# Altium PCB Moter_Control_2021-08-13.pcbdoc (part 2 of 2)
Units mil, origin at the board's own origin, x right, y up, seen from the top; angles counter-clockwise.
Board outline 3361.49 x 2219.75 mil, 2 copper layers (Top Layer, Bottom Layer); 100 components, 80 nets, 432 pads, 274 vias.
Unrouted connection lines stored in the file: 3.
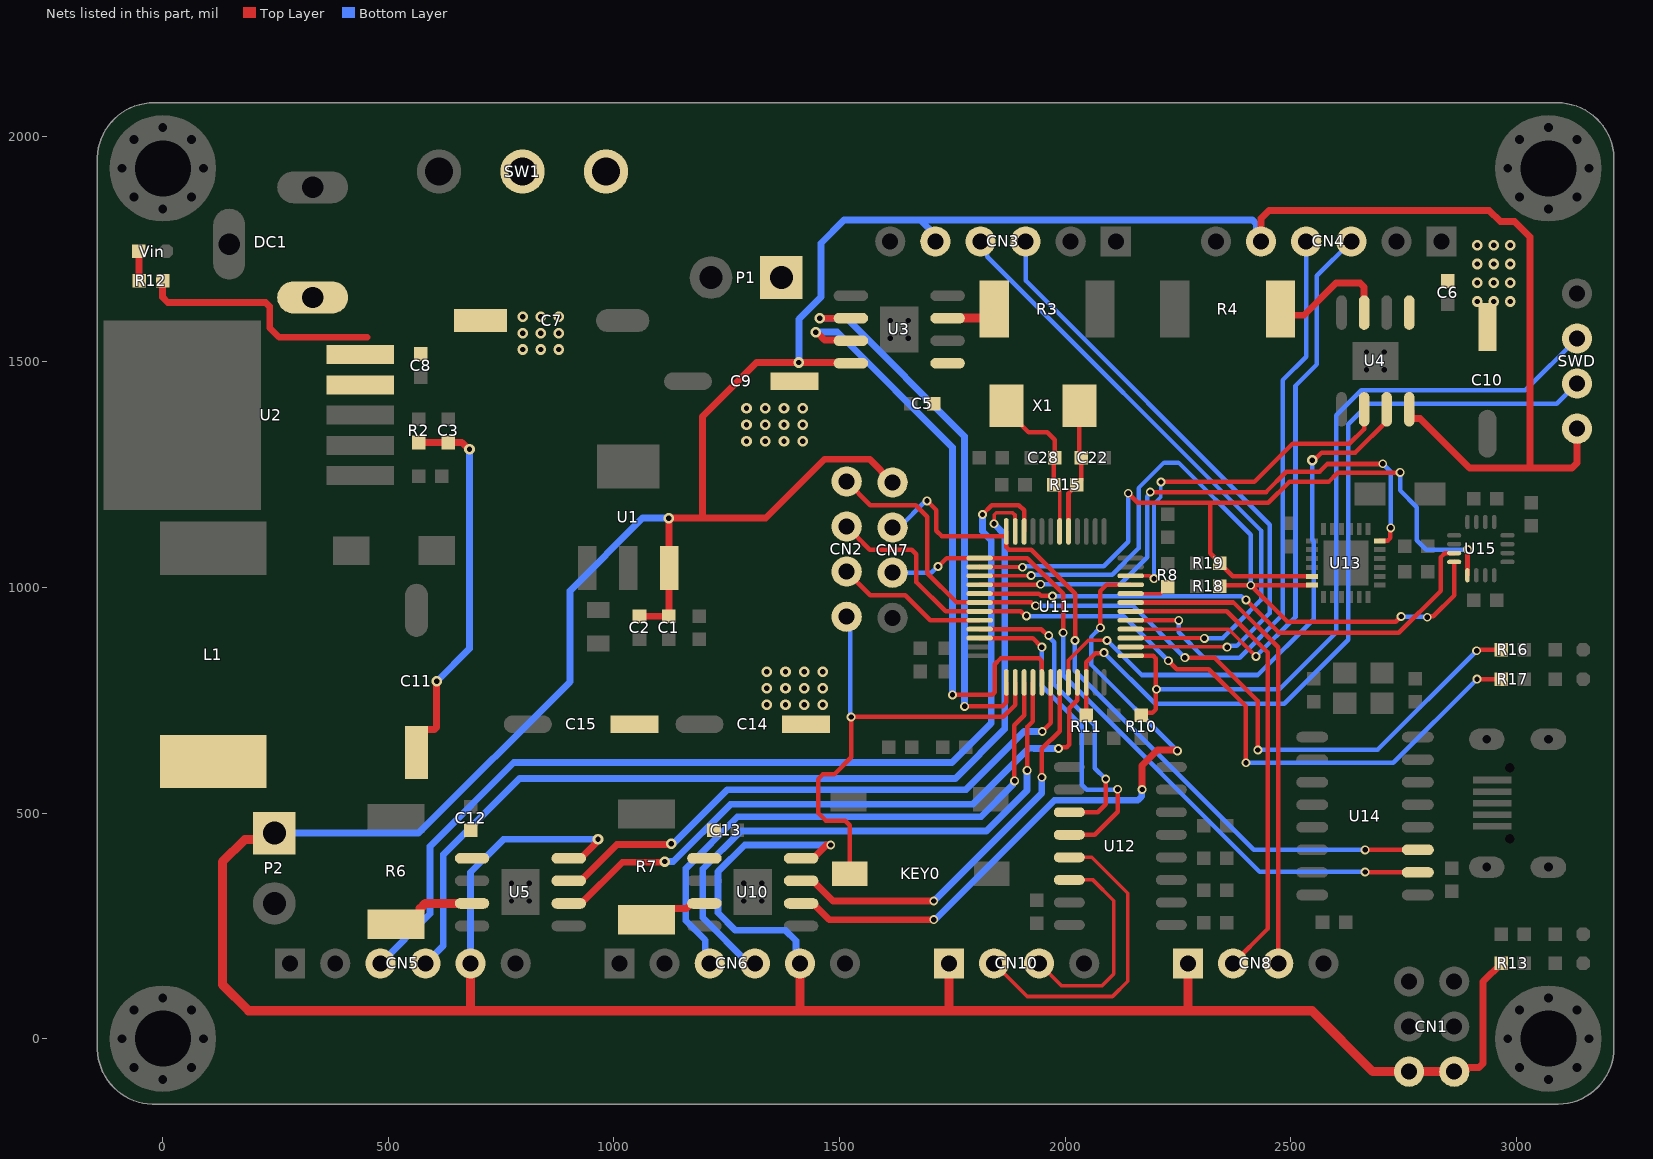
[diagram p2: the nets of this part, all layers, seen from the top]

## Via types
v1: diameter 19.68, hole 11.81, Top Layer to Bottom Layer, tented both sides, 174 vias
v2: diameter 23.62, hole 11.81, Top Layer to Bottom Layer, tented both sides, 70 vias
v3: diameter 19.68, hole 11.81, Top Layer to Bottom Layer, 30 vias

## Nets (pads, with @x,y where several pads share a name; then routed paths per layer and width w, separated by ;. In a path a pad name is that pad's centre, name@x,y a point inside that pad or via, vN(x,y) a via of type N, cw(c..) or ccw(c..) an arc to the next point about the centre after c; other vN are vias at no path point) (continued)
NetR3_2: R3.2 U3.7 | length 111.9
  Top Layer w20: U3.7@1739.31,1596.93 1822.95,1596.93 R3.2@1842.95,1616.93
NetR4_2: R4.2 U4.7 | length 280.6
  Top Layer w15: R4.2@2477.2,1616.93 2490.71,1603.42 2529.1,1603.42 2600.33,1674.65 2653.73,1674.65 2662.51,1665.86 U4.7@2662.51,1609.36
NetR6_2: R6.2 U5.7 | length 189.1
  Top Layer w20: R6.2@517.2,258.82 547.72,258.82 570.2,281.3 570.2,288.06 581.91,299.77 U5.7@685.41,299.77
NetR7_2: R7.2 U10.7 | length 143.1
  Top Layer w15: R7.2@1072.2,263.82 1097.19,288.8 1160.72,288.8 1171.7,299.77 U10.7@1200.41,299.77
NetR8_1: R8.1 U11.44 | length 88.3
  Top Layer w8: U11.44@2145.12,986.46 2201.88,986.46 2211.52,986.46 2215.4,990.34 2216.21,990.34 R8.1@2227.21,1001.34
NetR12_1: R12.1 Vin.1 | length 66.6
  Top Layer w15: Vin.1@-53.8,1745.48 -52.77,1744.46 -52.77,1680.78 R12.1@-51.75,1679.76
OSC_IN: C22.2 R15.2 U11.5 X1.2 | length 291.8
  Top Layer w10: U11.5@2007.33,1124.25 2007.33,1209 2035.72,1237.39 C22.2@2035.72,1287.37 2031.6,1291.48 X1.2@2031.6,1402.56
OSC_OUT: C28.2 R15.1 U11.6 X1.1 | length 352.6
  Top Layer w8: R15.1@1974.71,1227.56 1987.64,1214.64 U11.6@1987.64,1124.25
  Top Layer w10: X1.1@1870.18,1402.56 1870.18,1392.72 1918.78,1344.12 1959.99,1344.12 1976.48,1327.63 C28.2@1976.48,1287.56 1974.71,1285.79 R15.1@1974.71,1227.56
PA0/TIMER4_CH0: CN5.3 U11.10 | length 2284.9
  Top Layer w10: v1(1816.61,1161.88) 1837.37,1182.64 1897.22,1182.64 1908.9,1170.97 U11.10@1908.9,1124.25
  Bottom Layer w15: CN5.3@482.2,166.93 592.2,276.93 592.2,426.34 777.8,611.93 1748.91,611.93 1835.87,698.89 1835.87,1105.4 1816.61,1124.66 v1(1816.61,1161.88)
PA1/TIMER4_CH1: CN5.4 U11.11 | length 2188.8
  Top Layer w8: v1(1842.31,1141.26) 1842.95,1141.9 1842.95,1161.25 1847.68,1165.97 1883.41,1165.97 1888.72,1160.66 1888.72,1124.75 U11.11@1889.22,1124.25
  Bottom Layer w15: CN5.4@582.2,166.93 621.81,206.54 621.81,408.42 790.32,576.93 1756.85,576.93 1865.87,685.95 1865.87,1117.71 v1(1842.31,1141.26)
PA2/USART1_TX: CN7.2 U11.12 U14.3 | length 1661.4
  Top Layer w10: v1(1693.74,1191.94) 1714.06,1171.62 1714.06,1126.08 1726.89,1113.25 1869.24,1113.25 1869.53,1113.54 U11.12@1869.53,1124.25 ; U11.12@1869.53,1113.25 1869.53,1089.68 1875.38,1083.82 1924.55,1083.82 2022.2,986.17 2022.2,883.23 v1(2021.69,882.71) ; v1(2664.8,418.54) U14.3@2781.5,418.54
  Bottom Layer w10: CN7.2@1617.59,1132.89 1632.08,1132.89 1691.12,1191.94 v1(1693.74,1191.94) ; v1(2021.69,882.71) 2021.24,882.26 2021.24,815.45 2182.11,654.57 2418.14,418.54 v1(2664.8,418.54)
PA3/USART1_RX: CN7.3 U11.13 U14.2 | length 1571.7
  Top Layer w10: v1(1718.27,1046.48) 1737,1065.21 U11.13@1810.48,1065.21 1916.27,1065.21 1995.39,986.08 v1(1995.39,899.62) ; v1(2664.8,369.56) 2665.3,369.05 2780.99,369.05 U14.2@2781.5,368.54
  Bottom Layer w10: CN7.3@1617.59,1032.89 1703.37,1032.89 1716.96,1046.48 v1(1718.27,1046.48) ; v1(1995.39,899.62) 1995.39,805.43 2431.26,369.56 v1(2664.8,369.56)
PA4/SCLK: R19.2 U11.14 U13.23 U15.1 | length 1803.1
  Top Layer w8: U11.14@1810.6,1045.39 v1@1905.07,1045.39
  Top Layer w10: U11.14@1810.48,1045.52 U11.14@1810.6,1045.39 ; v1@1905.07,1045.39 v1(1905.46,1045) ; v1(2139.87,1208.93) 2160.98,1187.84 2321.11,1187.84 ; U13.23@2547.11,1024.77 2546.66,1025.22 2371.69,1025.22 2321.11,1075.8 2321.11,1187.84 ; v1(2742.3,1255.22) 2741.52,1254.43 2604.09,1254.43 2583.6,1233.95 2496.42,1233.95 2450.31,1187.84 2321.11,1187.84 ; U15.1@2891.55,1027.11 2891.63,1027.19 2891.63,1083.41 v1(2892.05,1083.82)
  Bottom Layer w10: v1(1905.46,1045) 1907.31,1046.85 2085.52,1046.85 2139.87,1101.2 v1(2139.87,1208.93) ; v1(2742.3,1255.22) 2742.3,1215.02 2779.36,1177.96 2779.36,1104.56 2800.1,1083.82 v1(2892.05,1083.82)
PA5/SDA: R18.2 U11.15 U13.24 U15.16 | length 1746.7
  Top Layer w8: U11.15@1810.48,1025.84 1923.89,1025.84 v1@1924.47,1026.41
  Top Layer w10: R18.2@2347.2,1001.34 2350.94,1005.08 v1(2411.21,1005.08) ; U13.24@2547.11,1005.08 v1(2411.21,1005.08) ; v1(2744.61,935.85) 2732.52,923.76 2492.53,923.76 v1(2411.21,1005.08) ; v1(2802.38,934.17) 2804.22,936.01 2815.67,936.01 2862.03,982.37 U15.16@2862.03,1056.63
  Bottom Layer w10: v1(1924.61,1026.55) 1926.46,1028.41 2104,1028.41 2162.62,1087.03 2162.62,1220.5 2219.05,1276.93 2251.08,1276.93 2411.21,1116.81 v1(2411.21,1005.08) ; v1(2744.61,935.85) 2745.45,935.01 2801.54,935.01 v1(2802.38,934.17)
PA6/MPU_INT: U11.16 U13.12 | length 1273.5
  Top Layer w10: U11.16@1810.48,1006.15 1810.6,1006.27 1944.72,1006.27 v1(1945.63,1007.17) ; v1(2188.54,1211.55) 2445.11,1211.55 2489.94,1256.38 2563.71,1256.38 2581.05,1273.72 2703.13,1273.72 v1(2703.69,1274.28) ; U13.12@2697.31,1103.51 2697.82,1104.02 2715.04,1104.02 2720.89,1109.88 v1@2720.89,1134.4
  Bottom Layer w10: v1(1945.63,1007.17) 2122.04,1007.17 2182.11,1067.25 2182.11,1202.5 ; v1(2703.69,1274.28) 2721.6,1256.38 v1(2721.6,1132.25)
PA7/QMC_INT: U11.17 U15.15 | length 1204.8
  Top Layer w10: U11.17@1810.48,986.47 1941.88,986.47 1946.88,981.47 1971.4,981.47 v1(1971.72,981.14) ; v1(2400.61,972.59) 2473.77,899.43 2739.55,899.43 2832.73,992.61 2832.73,1067.52 2841.45,1076.25 2861.95,1076.25 U15.15@2862.03,1076.32
  Bottom Layer w10: v1(1971.72,981.14) 2389.91,981.14 2398.46,972.59 v1(2400.61,972.59)
PA8/TIMER0_CH0: U3.3 U11.29 | length 1361.3
  Top Layer w10: v1(1750.18,761.97) 1838.16,761.97 1844.02,767.83 1844.02,830.17 1856.66,842.8 1942.41,842.8 1948.27,836.94 U11.29@1948.27,789.62
  Top Layer w15: v2(1447.1,1566.02) 1449.43,1566.02 1466.86,1548.59 1523.43,1548.59 U3.3@1525.1,1546.93
  Bottom Layer w15: v2(1447.1,1566.02) 1494.82,1566.02 1750.18,1310.66 v1(1750.18,761.97)
PA9/TIMER0_CH1: U5.3 U11.30 | length 1302.5
  Top Layer w10: v1(1949.04,680.78) v1(1949.04,680.78) 1967.96,699.77 U11.30@1967.96,789.62
  Top Layer w15: U5.3@899.62,349.77 925.98,349.77 1006.34,430.14 v2@1127.2,430.14
  Bottom Layer w15: v2(1127.2,431.93) 1129.54,431.93 1133.85,436.24 1135.6,436.24 1251.29,551.93 1780.07,551.93 1908.93,680.78 v1(1949.04,680.78)
PA10/TIMER0_CH2: U10.3 U11.31 | length 912.6
  Top Layer w10: v1(1948.27,579.43) 1948.27,642.26 1987.64,681.63 U11.31@1987.64,789.62
  Top Layer w15: U10.3@1414.62,349.77 1440.98,349.77 1485.66,305.09 v1(1708.74,305.09)
  Bottom Layer w15: v1@1708.85,305.09 1708.85,305.2 1948.27,544.62 v1(1948.27,579.43)
PA11/TIMER0_CH3: U4.3 U11.32 | length 1274.8
  Top Layer w8: U11.32@2007.33,789.62 2007.33,839.03 2051.01,882.71 v1(2092.83,882.71)
  Top Layer w10: v2(2547.5,1281.93) 2551.04,1281.93 2568.23,1299.12 2642.85,1299.12 2712.51,1368.79 U4.3@2712.51,1395.14
  Bottom Layer w10: v1(2092.83,882.71) 2169.48,806.07 2426.99,806.07 2550.86,929.94 2550.86,1102.41 2547.5,1105.78 v2(2547.5,1281.93)
PA12/M4_Dir: U5.2 U11.33 | length 1403.8
  Top Layer w10: v1(1985.19,643.36) 1987.8,645.97 2003.15,645.97 2009.11,651.93 2009.11,732.57 2027.01,750.46 U11.33@2027.01,789.62
  Top Layer w15: U5.2@899.62,299.77 927.23,299.77 1018.32,390.86 v2@1116.14,390.86
  Bottom Layer w15: v2(1112.2,392.56) 1112.63,392.99 1131.38,392.99 1257.89,519.49 1794.77,519.49 1918.83,643.55 1931.25,643.55 1931.44,643.36 v1(1985.19,643.36)
PA13/SWDIO: R11.1 SWD.2 U11.34 | length 1829.6
  Top Layer w10: R11.1@2046.82,721.96 2046.82,789.49 U11.34@2046.7,789.62 2046.7,834.14 2066.3,853.74 2084.07,853.74 v1(2085.93,855.6)
  Bottom Layer w10: v1(2085.93,855.6) 2199.29,742.23 2485.22,742.23 2627.2,884.22 2627.2,1361.76 2672.37,1406.93 3089.51,1406.93 SWD.2@3134.51,1451.93
PA14/SWCLK: R10.1 SWD.3 U11.37 | length 1742.9
  Top Layer w10: U11.37@2145.12,848.66 2195.09,848.66 2200.95,842.8 2200.95,729.74 2193.13,721.93 R10.1@2168.88,721.93
  Bottom Layer w10: v1(2202.2,774.43) 2474.85,774.43 2600.61,900.19 2600.61,1381.51 2656.02,1436.93 3019.51,1436.93 SWD.3@3134.51,1551.93
PA15/TIMER1_CH0: CN3.3 U11.38 | length 1387.5
  Top Layer w8: U11.38@2145.12,868.35 2358.34,868.35 v1(2358.91,867.78)
  Bottom Layer w10: CN3.3@1912.2,1766.93 1912.2,1680.31 2453.34,1139.17 2453.34,943.4 2380.33,870.39 2361.51,870.39 v1(2358.91,867.78)
PB0/LED0: CN2.4 R16.2 U11.18 | length 1926.2
  Top Layer w10: CN2.4@1515.67,1235.21 1568.24,1182.64 1668.83,1182.64 1694.34,1157.14 1694.34,1031.89 1759.46,966.78 U11.18@1810.48,966.78 1924.6,966.78 1931.92,959.45 v1(1934.54,959.45) ; v1(2265.14,844.67) 2330.93,844.67 2426.99,748.6 v1(2426.99,640.04) ; v1@2911.25,861.93 R16.2@2966.62,861.93
  Bottom Layer w10: v1(1934.54,959.45) 2150.36,959.45 v1(2265.14,844.67) ; v1(2426.99,640.04) 2692.2,640.04 v1(2911.94,859.78)
PB1/LED1: CN2.3 R17.2 U11.19 | length 1854.3
  Top Layer w10: CN2.3@1515.67,1135.21 1567.06,1083.82 1660.18,1083.82 1670.05,1073.95 1670.05,1012.17 1735.13,947.1 U11.19@1810.48,947.1 ; U11.19@1810.48,947.1 1901.49,947.11 1911.48,937.11 v1(1914.1,937.11) ; v1(2228.54,837.61) 2247.01,819.14 2318.2,819.14 2400.61,736.74 v1(2400.61,611.5) ; v1(2912.64,796.93) R17.2@2966.62,796.93
  Bottom Layer w10: v1(1914.1,937.11) 1914.65,936.56 2129.6,936.56 v1(2228.54,837.61) ; v1(2400.61,611.5) 2727.21,611.5 v1(2912.64,796.93)
PB2: CN2.2 U11.20 | length 339.5
  Top Layer w10: CN2.2@1515.67,1035.21 1568.18,982.71 1645.67,982.71 1700.97,927.41 U11.20@1810.48,927.41
PB3/TIMER1_CH1: CN3.4 U11.39 | length 1376.5
  Top Layer w8: U11.39@2145.12,888.03 2307.61,888.03 v1(2308.34,887.3)
  Bottom Layer w10: CN3.4@1812.2,1766.93 1812.2,1751.52 1827.03,1736.7 1827.03,1733.21 2434.07,1126.16 2434.07,972.59 2428.21,966.73 2388.76,927.28 2348.78,887.3 v1(2308.34,887.3)
PB4/TIMER2_CH0: CN4.3 U11.40 | length 1310.3
  Top Layer w8: U11.40@2145.12,907.72 2362.41,907.72 v1(2422.85,847.28)
  Bottom Layer w8: 2509.74,934.17 2510.41,934.17
  Bottom Layer w10: v1(2422.85,847.28) 2509.74,934.17 ; 2510.41,934.17 2510.41,1447.09 2557.74,1494.41 2557.74,1690.59 CN4.3@2634.07,1766.93
PB5/TIMER2_CH1: CN4.4 U11.41 | length 1274.9
  Top Layer w10: U11.41@2145.12,927.4 2145.21,927.31 2251.5,927.31 v1(2251.59,927.21)
  Bottom Layer w10: v1(2251.59,927.21) 2251.59,900.67 2307.74,844.52 2386.73,844.52 2482.2,940 2482.2,1459.72 2534.07,1511.59 CN4.4@2534.07,1766.93
PB6/USART0_TX: CN8.2 U11.42 | length 1062.2
  Top Layer w10: U11.42@2145.12,947.09 2358.01,947.09 2448.54,856.56 2448.54,243.27 CN8.2@2372.2,166.93
PB7/USART0_RX: CN8.3 U11.43 | length 1068.8
  Top Layer w10: U11.43@2145.12,966.77 2372.96,966.77 2472.2,867.53 CN8.3@2472.2,166.93
PB8/M4_Dir: U10.2 U11.45 | length 1557
  Top Layer w10: v1@2077.2,913.04 2077.2,991.75 2091.59,1006.14 U11.45@2145.12,1006.14
  Top Layer w15: U10.2@1414.62,299.77 1440.98,299.77 1476.93,263.82 v1(1708.74,263.82) ; v1(2170.51,552.19) 2170.51,605.74 2204.81,640.04 v1@2247.83,640.04
  Bottom Layer w10: v1(2077.91,910.89) 2057.2,890.19 2057.2,829.22 v1(2248.53,637.89)
  Bottom Layer w15: v1(1708.74,263.82) 1710.01,263.82 1712.35,266.16 1714.19,266.16 1976.49,528.46 2160.92,528.46 2169.71,537.25 2169.71,551.39 v1(2170.51,552.19)
PB9/M2_Dir: U4.2 U11.46 | length 817.8
  Top Layer w8: U11.46@2145.12,1025.83 2187.41,1025.83 2193.66,1019.58 v1(2196.82,1019.58)
  Top Layer w10: v1(2212.2,1233.95) 2419.34,1233.95 2503.85,1318.46 2629.69,1318.46 2662.28,1351.05 2662.28,1394.91 U4.2@2662.51,1395.14
  Bottom Layer w8: v1(2196.82,1019.58) 2196.82,1185.49 2212.2,1200.88 v1(2212.2,1233.95)
PB10/USART2_TX: U11.21 U12.11 | length 673.5
  Top Layer w10: U11.21@1810.48,907.73 1946.81,907.73 1960.93,893.61 v1(1963.55,893.61) ; U12.11@2009.11,501.93 2072.48,501.93 2089.83,519.28 v1(2089.83,575.57)
  Bottom Layer w10: v1(1963.55,893.61) 1963.55,890.99 1975.67,878.87 1975.67,785.1 2065.87,694.9 2065.87,599.53 v1(2089.83,575.57)
PB11/USART2_RX: U11.22 U12.12 | length 750.2
  Top Layer w10: U11.22@1810.48,888.04 1928.01,888.04 v1(1948.27,867.78) ; U12.12@2009.11,451.93 2065.27,451.93 2116.32,502.98 v1(2116.32,552.83)
  Bottom Layer w10: v1(1948.27,867.78) 1948.27,782.28 2036.76,693.79 2036.76,563.2 2048.03,551.93 2115.43,551.93 v1(2116.32,552.83)
PB12/M1_DIR: U3.2 U11.25 | length 1237.4
  Top Layer w10: v1(1777.05,736.66) 1861.1,736.66 1869.53,745.09 U11.25@1869.53,789.62
  Top Layer w15: v2(1456.04,1596.87) 1456.1,1596.93 U3.2@1525.1,1596.93
  Bottom Layer w15: v2(1456.04,1596.87) 1515.18,1596.87 1777.05,1335.01 v1(1777.05,736.66)
PB13/KEY0: CN2.1 KEY0.2 U11.26 | length 1096.7
  Top Layer w10: KEY0.2@1522.2,365.55 1522.2,473.17 1512.16,483.22 1469.7,483.22 1452.83,500.09 1452.83,575.57 1462.98,585.72 1487.8,585.72 1525.51,623.43 v1(1525.51,712.91) 1525.83,713.23 1862.81,713.23 1889.22,739.64 U11.26@1889.22,789.62
  Bottom Layer w10: CN2.1@1515.67,935.21 1523.65,927.23 1523.65,714.76 v1(1525.51,712.91)
PB14/TIMER11_CH0: CN6.3 U11.27 | length 1272.4
  Top Layer w10: v1(1887.98,571.54) 1886.74,572.78 1886.74,694.43 1908.9,716.6 U11.27@1908.9,789.62
  Bottom Layer w15: CN6.3@1212.2,166.93 1202.27,176.87 1202.27,218.34 1159.15,261.46 1159.15,377.34 1273.74,491.93 1813.46,491.93 1883.66,562.13 1883.66,564.89 1887.98,569.21 v1(1887.98,571.54)
PB15/TIMER11_CH1: CN6.4 U11.28 | length 1300.8
  Top Layer w10: v1(1915.56,594.79) 1915.56,690.85 1928.59,703.88 U11.28@1928.59,789.62
  Bottom Layer w15: CN6.4@1312.2,166.93 1298.15,166.93 1196.76,268.32 1196.76,375.98 1281.35,460.57 1825.84,460.57 1915.56,550.28 v1@1915.56,594.78
RX: CN10.2 U12.13 | length 698
  Top Layer w8: CN10.2@1842.2,166.93 1915.67,93.46 2104.69,93.46 2138.36,127.13 2138.36,322.4 2058.83,401.93 U12.13@2009.11,401.93
TX: CN10.3 U12.14 | length 477.3
  Top Layer w8: CN10.3@1942.2,166.93 1992.2,116.93 2081.13,116.93 2107.74,143.54 2107.74,305.88 2061.7,351.93 U12.14@2009.11,351.93
VIN: DC1.1 P1.1 SW1.2
VIN_OPEN: C5.2 C6.2 C7.1 C8.1 C9.1 C10.1 C12.2 C13.2 C14.1 C15.1 R12.2 SW1.1 U2.4 U2.5 U3.5 U4.5 U5.5 U10.5 | length 554.3
  Top Layer w15: R12.2@-0.57,1679.76 -0.57,1643.4 10.91,1631.93 228.02,1631.93 236.81,1623.14 236.81,1575.72 257.85,1554.68 452.86,1554.68
  other v2: 1338.49,740.25 1379.99,740.25 1421.48,740.25 1462.98,740.25 1338.49,776.93 1379.99,776.93 1421.48,776.93 1462.98,776.93 1338.49,813.61 1379.99,813.61 1421.48,813.61 1462.98,813.61 1293.7,1324.2 1335.2,1324.2 1376.69,1324.2 1418.19,1324.2 1293.7,1360.88 1335.2,1360.88 1376.69,1360.88 1418.19,1360.88 1293.7,1397.56 1335.2,1397.56 1376.69,1397.56 1418.19,1397.56 797.83,1527.65 837.81,1527.65 877.79,1527.65 797.83,1563.8 837.81,1563.8 877.79,1563.8 797.83,1599.96 837.81,1599.96 877.79,1599.96 2913.19,1633.94 2949.87,1633.94 2986.55,1633.94 2913.19,1675.43 2949.87,1675.43 2986.55,1675.43 2913.19,1716.93 2949.87,1716.93 2986.55,1716.93 2913.19,1758.42 2949.87,1758.42 2986.55,1758.42
VOUT_5V/5A: C1.1 C2.1 C3.2 C11.1 CN1.1 CN1.2 CN3.5 CN4.5 CN5.5 CN6.5 CN7.1 CN8.1 CN10.1 L1.1 P2.1 R2.1 R13.2 SWD.1 U1.3 U3.4 U4.4 U5.4 U10.4 | length 11929.4
  Top Layer w15: C11.1@562.2,634.45 562.2,666.97 580.3,685.06 602.48,685.06 606.85,689.43 v2@606.85,792.16 ; R2.1@567.21,1321.34 662.69,1321.34 677.38,1306.64 v2(679.71,1306.64) ; U5.4@899.62,399.77 925.98,399.77 964.7,438.5 v2(964.7,441.84) ; C2.1@1056.54,936.46 C1.1@1121.54,936.46 1121.81,936.73 1121.81,1043.09 U1.3@1122.09,1043.36 1121.81,1043.64 1121.81,1153.5 v2(1121.54,1153.78) 1196.04,1153.78 ; U10.4@1414.62,399.77 1440.98,399.77 1470.59,429.38 v1(1480.35,429.38) ; U3.4@1525.1,1496.93 1523.43,1498.59 v2(1409.75,1498.59) 1315.68,1498.59 1196.04,1378.95 1196.04,1153.78 ; CN7.1@1617.59,1232.89 1566.06,1284.43 1467.03,1284.43 1336.38,1153.78 1196.04,1153.78 ; CN4.5@2434.07,1766.93 2434.07,1818.25 2451.5,1835.68 2939.74,1835.68 2964.39,1811.02 2996.15,1811.02 3030.03,1777.14 3030.03,1264.57 ; U4.4@2762.51,1395.14 2766.53,1391.12 2766.53,1374.39 2786.7,1374.39 2896.51,1264.57 3030.03,1264.57 ; CN1.1@2862.2,-73.07 2871.64,-63.64 2917.21,-63.64 2926,-54.85 2926,126.32 R13.2@2966.62,166.93 ; SWD.1@3134.51,1351.93 3134.51,1275.96 3123.12,1264.57 3030.03,1264.57
  Top Layer w20: P2.1@247.2,455.67 232.94,441.4 181.68,441.4 132.2,391.93 132.2,120.16 190.43,61.93 682.2,61.93 ; CN5.5@682.2,166.93 682.2,61.93 ; CN6.5@1412.2,166.93 1412.2,61.93 ; CN10.1@1742.2,166.93 1742.2,63.23 1743.5,61.93 ; CN8.1@2272.2,166.93 2272.2,64.49 2269.65,61.93 ; CN1.1@2862.2,-73.07 CN1.2@2762.2,-73.07 2682.01,-73.07 2547.01,61.93 2269.65,61.93 ; 682.2,61.93 1412.2,61.93 ; 1412.2,61.93 1743.5,61.93 ; 1743.5,61.93 2269.65,61.93
  Bottom Layer w15: P2.1@247.2,455.67 566.91,455.67 902.2,790.96 902.2,992.67 1063.31,1153.78 v2(1121.54,1153.78) ; v2(607.2,791.93) 679.71,864.44 v2(679.71,1306.64) ; CN5.5@682.2,166.93 682.2,368.9 755.15,441.84 v2(964.7,441.84) ; v2(1409.75,1498.59) 1409.75,1594.73 1458.59,1643.56 1458.59,1762.98 1510.04,1814.43 1678.74,1814.43 ; CN6.5@1412.2,166.93 1403.42,175.72 1403.42,217.16 1380.33,240.25 1269.47,240.25 1230.61,279.11 1230.61,370.14 1289.85,429.38 v1(1480.35,429.38) ; CN3.5@1712.2,1766.93 1712.2,1780.96 1678.74,1814.43 ; CN4.5@2434.07,1766.93 2424.14,1776.87 2424.14,1805.15 2414.85,1814.43 1678.74,1814.43
pads on no net: DC1.2 SW1.3 U6. U7. U8. U9. U11.2 U11.3 U11.4 U12.7 U12.8 U12.9 U12.10 U13.2 U13.3 U13.4 U13.5 U13.6 U13.7 U13.14 U13.15 U13.16 U13.17 U13.19 U13.21 U13.22 U13.25 U14.9 U14.10 U14.11 U14.12 U14.13 U14.14 U14.15 U15.3 U15.5 U15.6 U15.7 U15.14 USB1.0 USB1.1

## Polygon pours and split planes (outlines as drawn)
AGND on Top Layer "AGND_L01_P005" (solid, pour order 5): 859.7,1332.97 1168.66,1641.93 3208.75,1641.93 3208.75,2074.26 -145.14,2074.26 -145.23,2074.35 -145.23,-145.29 1679.42,-145.29 1678.74,-144.61 1678.74,384.9 1579.89,483.74 1145.67,483.74 1145.67,521.31 1062.55,604.43 859.7,604.43
DGND on Top Layer "DGND_L01_P004" (solid, pour order 4): 1272.2,1641.93 3208.75,1641.93 3216.17,1649.34 3216.17,-145.29 1679.42,-145.29 1678.74,-145.31 1678.74,-131.54 1678.74,384.9 1579.89,483.74 1145.67,483.74 1145.67,521.31 1062.55,604.43 859.7,604.43 859.7,1332.97 868.72,1341.99
AGND on Bottom Layer "AGND_L02_P006" (solid, pour order 6): 859.7,1332.97 1291.69,1655.2 3208.75,1641.93 3208.75,2074.26 -145.14,2074.26 -145.23,2074.35 -145.23,-145.29 1679.42,-145.29 1678.74,-144.61 1678.74,384.9 1579.89,483.74 1145.67,483.74 1145.67,521.31 1062.55,604.43 859.7,604.43
DGND on Bottom Layer "DGND_L02_P003" (solid, pour order 3): 1272.2,1641.93 3208.75,1641.93 3216.17,1649.34 3216.17,-145.29 1679.42,-145.29 1678.74,-145.31 1678.74,-131.54 1678.74,384.9 1579.89,483.74 1145.67,483.74 1145.67,521.31 1062.55,604.43 859.7,604.43 859.7,1332.97 868.72,1341.99

## Keep-outs
Keep-Out Layer:
  lines w15: -137.8,-23.07 -137.8,1951.93 ; -137.8,-19.69 ccw(c-19.69,-19.69) -19.69,-137.8 ; -137.8,1948.82 cw(c-19.69,1948.82) -19.69,2066.93 ; -22.8,-137.8 3092.2,-137.8 ; -17.8,2066.93 3087.2,2066.93 ; 3090.55,-137.8 ccw(c3090.55,-19.69) 3208.66,-19.69 ; 3090.55,2066.93 cw(c3090.55,1948.82) 3208.66,1948.82 ; 3208.66,-18.07 3208.66,1951.93

## Other copper
Top Layer:
  pour cut-out: 2192.16,509.58 2192.16,403.56 2190.53,401.93 2191.37,401.1 2306.37,401.1 2306.37,472.76 2279.51,499.62
  pour cut-out: 2173.97,301.93 2300.72,301.93 2302.39,303.6 2307.2,298.78 2307.2,271.93 2295.53,271.93 2277.81,254.21 2182.36,254.21
  pour cut-out: 1427.2,206.93 1428.03,207.75 1471.38,207.75 1471.38,169.59 1533.69,107.28 1580.04,107.28 1646.53,173.77 1670.05,173.77 1670.05,98.69 1675.28,93.46 1655.3,73.48 1412.2,73.48
  pour cut-out: 1135.2,279.48 1145.2,269.48 1145.2,221.34 1149.7,221.34 1177.42,193.62 1184.2,200.39 1212.2,200.39 1212.2,259.52 1214.31,261.62
  pour cut-out: 1052.2,261.93 1052.21,261.93 1052.21,192.44 1045.67,185.9 1031.17,200.39 978.74,200.39 978.74,305.42 981.62,308.3
  pour cut-out: 847.2,306.93 958.14,306.93 961.66,310.45 973.47,298.64 973.47,257.91 850.87,257.91 850.49,258.3
  pour cut-out: 812.2,236.93 805.15,229.87 805.15,73.48 697.2,73.48 685.41,85.28 685.41,239.95
  pour cut-out: 486.68,221.34 486.68,124.71 487.93,123.46 587.93,123.46 587.93,213.61 580.2,221.34
  pour cut-out: 444.21,293.03 729.03,293.03 732.74,296.74 732.74,352.82 478.63,352.82 445.41,319.6 445.41,301.3
  pour cut-out: 582.2,133.46 582.2,284.29 580.2,286.3 732.44,286.3 732.44,230.3 682.2,180.06 682.2,133.46
  pour cut-out: 1992.95,1045.51 2120.9,1045.51 2120.9,875.87 2117.14,872.11 2112.32,876.93 1982.22,876.93 1975.92,883.23
  pour cut-out: 1733.74,839.42 1738.34,834.82 1738.34,713.23 1862.81,713.23 1856.66,719.39 1856.66,842.8 1755.95,842.8 1748.74,850.01
  pour cut-out: 1782.04,718.98 1788.12,712.91 1892.2,712.91 1892.2,543.16 1891.18,542.13 1819.06,542.13 1819.06,586.18 1778.93,626.3
  pour cut-out: 1977.2,651.93 1978.39,650.75 2092.83,650.75 2092.83,504.25 2095.16,501.93 1964.35,501.93 1964.35,612.08 1967.71,615.44
  pour cut-out: 2117.15,844.9 2197.19,844.9 2193.88,841.59 2193.88,706.78 2158.71,706.78 2135.24,730.25
  pour cut-out: 2337.2,881.93 2451.52,881.93 2448.54,878.95 2448.54,743.52 2368.06,743.52 2348.39,763.19 2349.6,764.4 2349.6,880.01
  region net AGND: 2022.2,1661.93 2040.2,1679.92 2155.1,1679.92 2174.64,1699.47 2174.64,1829.29 2172.75,1829.29 2145.12,1856.93 2145.12,1977.35 2275.43,1977.35 2275.43,1827.26 2275.43,1695.59 2317.2,1695.59 2359.09,1653.7 2359.09,1540.04 2393.83,1505.31 2602.37,1505.31 2643.99,1546.93 2776.65,1546.93 2805.12,1518.46 2805.12,1466.18 2790.86,1451.93 2642.05,1451.93 2632.05,1441.93 2632.05,1354.22 2612.51,1334.69 2583.11,1334.69 2560.2,1357.59 2560.2,1410.83 2529.1,1441.93 2382.21,1441.93 2283.71,1540.43 2054.78,1540.43 2021.69,1573.51
  region net AGND: 543.38,1478.1 552.2,1486.93 561.3,1486.93 892.79,1486.93 908.75,1486.93 952.2,1548.68 953.96,1546.93 1133.09,1546.93 1225.31,1454.72 1170.02,1399.43 950.29,1399.43 873.26,1322.4 873.26,849.47 772.83,749.04 680.54,749.04 646.16,793.36 702.2,849.41 702.2,1354.45 653.67,1402.98 550.68,1402.98 544.85,1408.8
  pour cut-out: -187.8,1106.93 -132.8,1161.93 379.2,1161.93 400.57,1140.56 400.57,641.93 325.57,566.93 -132.8,566.93 -187.8,621.93
  region net VIN_OPEN: 2887.2,1701.93 2896.47,1711.2 2896.47,1767.08 2911.32,1781.93 2982.38,1781.93 3007.23,1757.09 3007.23,1528.31 2991.67,1512.75 2922.25,1512.75 2888.07,1546.93
  region net AGND: 952.2,1606.93 977.2,1631.93 1051.3,1631.93 1082.2,1662.83 1082.2,1745.68 1106.43,1771.93 1255.29,1771.93 1282.2,1746.93 1282.2,1733.84 1282.2,1511.61 1206.02,1435.43 1007.2,1435.43 952.2,1490.43
  region net VIN_OPEN: 332.2,1531.93 317.71,1554.68 492.2,1561.93 562.2,1631.93 777.24,1631.93 797.24,1611.93 797.2,1611.89 797.2,1531.93 763.87,1498.59 542.64,1498.59 527.2,1483.16 527.2,1436.93 512.2,1421.93 359.2,1421.93 332.2,1448.93
  region net VIN: 254.31,1699.03 347.2,1791.93 637.2,1791.93 717.2,1871.93 717.2,1957.77 752.2,1992.77 846.36,1992.77 877.2,1961.93 877.2,1686.93 842.2,1651.93 547.2,1651.93 477.2,1581.93 281.87,1581.93 254.31,1609.49
  region net VIN_OPEN: 1269.74,648.88 1322.2,701.34 1322.2,649.14 1317.97,644.9
  region net VIN_OPEN: 2742.3,1665.22 2779.42,1702.34 2902.88,1702.34 2902.88,1662.07 2808.97,1662.07 2792.24,1645.34 2792.24,1578.67 2782.5,1568.92 2754.15,1568.92 2742.3,1580.77
  region net AGND: 2776.65,1546.93 2779.01,1544.57 2871.75,1544.57 2964.39,1451.93 2964.39,1307.85 2946.7,1290.16 2910.48,1290.16 2887.64,1313 2887.64,1400.57 2836.28,1451.93 2790.86,1451.93
  region net AGND: 2812.2,1626.93 2828.39,1643.11 2862.73,1643.11 2871.75,1634.09 2871.75,1544.57 2812.2,1544.57
  region net AGND: 182.2,370.59 193.54,381.93 354.09,381.93 493.35,521.18 582.2,521.18 594.86,508.52 594.86,404.8 566.99,376.93 450.05,376.93 310.05,236.93 192.2,236.93 182.2,246.93
  region net VOUT_5V/5A: 182.2,501.93 192.2,511.93 327.2,511.93 345.7,530.43 345.7,571.93 417.56,571.93 433.2,556.28 433.2,486.33 346.65,399.77 192.2,399.77 182.2,409.77
  region net VIN_OPEN: 753.75,429.45 754.38,430.08 754.38,453.6 777.71,476.93 818.44,476.93 892.79,551.28 892.79,727.09 1091.75,727.09 1102.62,727.09 1110.94,718.76 1110.94,679.25 1138.34,651.86 1324.93,651.86 1349.84,676.77 1349.84,706.93 1350.82,706.93 1376.41,732.52 1378.7,730.24 1488.9,730.24 1488.9,628.62 1366.78,526.71 1280.03,526.71 1244.11,493.46 1244.11,400.36 1230.33,386.58 1170.49,386.58 1155.94,401.13 1155.94,538.01 1131,562.95 1001.86,562.95 978.74,539.84 978.74,493.46 914.72,429.45 860.12,429.45
  region net VIN_OPEN: 792.51,477.48 778.27,477.48 665.7,477.48 647.2,458.99 647.2,399.77 659.05,387.92 715.7,387.92 757.22,429.45 906.19,429.45
  region net AGND: 737.34,393.37 753.74,409.77 826.19,409.77 842.56,393.4 842.56,277.48 858.41,261.62 925.98,261.62 925.98,237.92 924.98,236.93 749.31,236.93 736.46,249.77
  region net AGND: 585.8,530.43 608.53,530.43 642.2,564.1 642.2,789.41 649.72,796.93 752.83,796.93 772.83,776.93 772.83,749.04 735.93,711.43 735.93,515.5 714.07,493.64 652.46,493.64 632.2,473.7 632.2,386.58 622.55,376.93 544.12,376.93
  region net AGND: 606.85,1276.93 694.7,1276.93 709.7,1291.93 711.77,1291.93 711.77,926.4 732.44,667.3 572.75,881.93 568.17,881.93 644.7,1000.75 608.53,1036.93
  region net AGND: 859.5,934.08 890.9,902.69 974.41,902.69 989.15,887.94 989.15,828.88 979.42,819.14 860.57,819.14
  region net VIN_OPEN: 777.24,1631.93 855.29,1631.93 892.79,1669.43 892.79,1960.86 924.7,1992.77 1031.36,1992.77 1062.2,1961.93 1062.2,1666.34 1042.79,1646.93 967.2,1646.93 937.2,1616.93 937.2,1560.6 894.02,1498.69 752.53,1498.69
  region net NetD1_1: -6.54,1026.93 -6.54,1226.93 202.2,1226.93 218.27,1210.86 218.27,1160.86 232.2,1146.93 232.2,1026.93
  region net AGND: 596.13,1209.23 603.39,1216.49 603.39,1273.48 606.85,1276.93 650.7,1276.93 654.7,1270.25 654.7,1209.23
  region net NetC3_1: 352.2,1331.93 362.2,1341.93 517.2,1341.93 532.6,1357.32 532.6,1387.32 537.2,1391.93 646.62,1391.93 656.62,1381.93 656.62,1354.37 649.17,1346.93 548.21,1346.93 541.38,1340.1 541.38,1311.11 522.2,1291.93 358.45,1291.93 353.45,1296.93
  region net NetD1_1: 218.27,1185.86 229.53,1174.61 440.86,1174.61 472.2,1143.27 472.2,1046.93 462.2,1036.93 372.01,1036.93 362.2,1046.73 362.2,1111.93 199.69,1111.93 227.2,1121.93 202.2,1121.93
  region net NetC3_1: 541.38,1331.92 541.38,1294.82 589.82,1294.82 589.82,1229.74 584.62,1224.53 535.32,1224.53 527.21,1232.65 527.21,1276.64 500.79,1303.07
  region net NetD1_1: 512.2,1406.93 207.2,1406.93 192.2,1391.93 192.2,1356.93 514.7,1356.93 519.7,1361.93 519.7,1401.93
  region net AGND: 1678.58,1385.09 1672.2,1378.71 1599.48,1378.71 1589.88,1388.31 1589.88,1623.94 1575.27,1638.55 1475.29,1638.55 1457.2,1656.64 1455.47,1742.64 1423.52,1772.97 1137.48,1772.97 1333.28,1887.13 1548.89,1887.13 1563.31,1872.72 1596.73,1872.72 1609.31,1860.14 1563.31,1814.14 1563.31,1719.69 1578.74,1704.26 1635.85,1704.26 1678.58,1661.53
  region net AGND: 1082.2,1977.35 2242.95,1977.35 2242.95,1846.93 1388.75,1846.93 1282.2,1740.39 1276.91,1745.68 1082.2,1745.68
  region net AGND: 1444.57,261.62 1440.98,261.62 1440.98,237.62 1272.11,237.62 1257.8,251.93 1257.8,485.19 1282.29,509.68 1358.29,509.68 1358.29,467.62 1358.29,279.75 1376.41,261.62
  region net AGND: 877.1,903.2 952.77,827.54 1277.25,827.54 1299.65,805.14 1299.65,708.34 1268.55,677.24 1147.79,677.24 1135.2,689.83 1135.2,735.38 1121.54,749.04 883.22,749.04 858.13,723.94
  region net VIN_OPEN: 1320.29,821.77 1326.06,827.54 1461.58,827.54 1488.9,800.22 1488.9,645.5 1455.33,611.93 1320.29,611.93
  region net VIN_OPEN: 1250.29,1401.58 1325.32,1476.61 1463.26,1476.61 1478.97,1460.91 1552.74,1460.91 1573.74,1439.91 1573.74,1384.72 1592.98,1365.48 1673.74,1365.48 1693.12,1384.86 1693.12,1511.56 1764.33,1511.56 1777.2,1498.69 1777.2,1326.31 1755.88,1304.98 1250.29,1304.98
  region net AGND: 873.26,849.47 873.26,553.7 813.03,493.46 708.5,493.46 708.5,723.94 702.2,730.24
  region net AGND: 445.62,477.93 445.62,478.52 445.62,523 453.05,530.43 585.8,530.43 595.05,521.18 594.86,520.99 594.86,477.17 584.62,466.93 445.62,466.93
  region net VOUT_5V/5A: 433.2,526.71 455.25,548.76 437.87,564.1 331.94,564.1 317.71,559.19 334.94,544.28 327.2,555.43 327.2,511.93
  region net VOUT_5V/5A: -17.8,667.93 -6.55,676.93 472.2,676.93 501.79,676.93 522.2,706.93 612.2,706.93 627.38,691.75 627.38,567.1 606.73,546.45 -12.32,546.45 -17.8,551.93
  region net AGND: 347.2,1196.93 347.2,1264.93 359.2,1276.93 503.94,1276.93 511.89,1268.98 511.89,1216.44 517.47,1210.86 654.7,1210.86 654.7,864.6 632.51,842.4 513.89,842.41 487,869.3 487,1160.86 457.34,1190.52 357.68,1190.52
Bottom Layer:
  region net NetD1_1: -118.11,1591.77 218.19,1591.77 218.27,1591.69 218.27,1172.09 -118.11,1172.09
  pour cut-out: 2510.41,1275.06 2512.94,1277.59 2569.31,1277.59 2569.31,918.66 2563.94,924.03 2499.6,924.03
  pour cut-out: 682.2,368.9 709.47,368.9 717.6,360.77 715.67,358.84 715.67,244.43 800.56,244.43 832.2,212.79 832.2,64.72 677.46,64.72 669.97,72.21
  pour cut-out: 1884.85,1059.57 1870.07,1044.79 1870.07,534.04 2052.77,534.04 2027.5,559.32 2027.5,912.54
  pour cut-out: 2084.14,936.56 2088.79,931.9 2213.64,931.9 2213.64,803.5 2215.08,802.06 2116.29,802.06 2116.29,803.6 2084.14,835.75
  region net AGND: 1257.2,365.35 1288.78,396.93 1614.17,396.93 1672.2,338.9 1672.2,71.13 1617.59,71.13 1511.4,71.13 1567.2,126.93 1567.2,213.46 1513.74,266.93 1283.56,266.93 1257.2,291.93
  region net VIN_OPEN: 762.03,1611.75 789.96,1639.68 947.48,1639.68 967.2,1619.97 967.2,1491.81 1032.08,1426.93 1407.2,1426.93 1432.2,1401.93 1432.2,1291.93 928.36,1291.93 762.79,1457.49
  region net AGND: 717.6,360.77 751.57,394.74 890.02,394.74 932.2,352.56 932.2,280.11 932.2,200.39 827.98,200.39 801.44,226.93 733.17,226.93 715.67,244.43
  region net AGND: 890.02,394.74 969.9,394.74 999.64,424.49 999.64,519.49 1032.08,551.93 1122.2,551.93 1145.67,528.46 1145.67,483.74 1117.59,455.67 1091.75,455.67 1091.75,454.85 1072.2,435.3 1072.2,338.09 1036.72,302.6 892.2,302.6
  region net VIN_OPEN: 1317.2,736.93 1337.2,716.93 1476.9,716.93 1476.9,812.19 1412.2,876.89 1412.2,1271.13 1432.6,1291.53 1389.41,1324.72 1212.2,1324.72 1248.44,1281.04 1248.44,811.93
  region net AGND: 82.2,1726.93 82.2,1810.19 118.11,1846.09 118.59,1845.62 214.91,1845.62 226.09,1824.43 589.5,1824.43 735.13,1678.81 735.13,1450.08 792.2,1393 792.2,1341.99 774.94,1324.72 691.91,1324.72 677.2,1339.43 677.2,1386.93 676.42,1386.93 651.42,1411.93 592.2,1411.93 552.2,1451.93 552.2,1671.93 522.2,1701.93 243.52,1701.93 224.48,1671.93 101.31,1671.93 82.97,1698.65
  pour cut-out: -187.8,1106.93 -132.8,1161.93 379.2,1161.93 400.57,1140.56 400.57,641.93 325.57,566.93 -132.8,566.93 -187.8,621.93
  region net VIN_OPEN: 917.2,1936.93 917.2,1970.47 939.5,1992.77 2894.3,1992.77 2937.2,1954.83 2937.2,1882.16 2996.29,1806.99 2996.29,1536.3 2984,1524.02 2915.74,1524.02 2901.8,1537.96 2901.8,1797.91 2852.2,1875.34 944.66,1875.34 919.01,1900.99
  region net AGND: 324.38,370.59 103.35,370.59 63.64,330.88 63.64,146.04 149.45,48.63 149.45,-13.39 209.13,-73.07 1672.2,-73.07 1672.2,72.21 273.26,72.21 202.2,143.27 199.99,246.2 324.38,246.2
  region net VIN: 717.2,1956.93 753.05,1992.77 852.79,1992.77 877.79,1967.77 877.79,1896.87 937.73,1836.93 1387.2,1836.93 1432.2,1791.93 1432.2,1641.93 1412.2,1621.93 1328.11,1621.93 1307.2,1642.83 1307.2,1734.43 1290.02,1751.62 847.52,1751.62 717.2,1881.93
  region net AGND: 747.2,351.93 765.87,370.59 824.02,370.59 847.2,347.4 847.2,256.93 872.2,231.93 912.2,231.93 932.2,211.93 932.2,64.72 832.2,64.72 832.2,196.17 801.44,226.93 774.33,226.93 748.74,252.52

## Silkscreen, mask and mechanical layers (free items; w line width, h text height)
Top Overlay:
  text "Vin" at 1492.01,1681.83 h60 r90
  text "GND" at 1131.54,1641.93 h60 r90
  text "GND" at 3051.17,1252.58 h50
  text "PB0" at 1237.04,1224.01 h50
  text "5V" at 1362.82,1224.01 h50
  text "CLK" at 3063.51,1206.58 h50
  text "DIO" at 3070.99,1160.57 h50
  text "PB1" at 1237.04,1121.68 h50
  text "TX1" at 1350.24,1121.68 h50
  text "5V" at 3095.76,1115.12 h50
  text "PB2" at 1237.04,1019.91 h50
  text "RX1" at 1350.24,1019.91 h50
  text "PB13" at 1227.64,919.13 h50
  text "GND" at 1345.4,918.68 h50
  text "5V" at 370.21,408.42 h60 r90
  text "3V3" at 2699.52,254.59 h50
  text "3V3" at 2816.26,254.59 h50
  text "GND" at 370.87,225.32 h60 r90
  text "GND" at 2679.79,220.31 h50
  text "GND" at 2816.26,220.31 h50
  text "TX0" at 2338.74,207.82 h40
  text "RX0" at 2438.74,207.82 h40
  text "5V" at 1712.2,207.37 h40
  text "TX" at 1817.2,206.93 h40
  text "RX" at 1917.2,206.93 h40
  text "GND" at 2012.2,207.37 h40
  text "5V" at 2242.2,207.37 h40
  text "GND" at 2542.2,207.37 h40
  text "5V" at 2724.38,186.41 h50
  text "5V" at 2816.26,186.41 h50
  text "232" at 1636.54,177.48 h50
Bottom Overlay:
  text "M-" at 1594.91,1720.07 h50 r180
  text "5V" at 1695.03,1719.51 h50 r180
  text "B" at 1807.96,1720.07 h50 r180
  text "A" at 1901.38,1720.07 h50 r180
  text "GND" at 1978.45,1719.51 h50 r180
  text "M+" at 2094.91,1720.07 h50 r180
  text "M-" at 2316.78,1720.07 h50 r180
  text "5V" at 2416.9,1719.51 h50 r180
  text "B" at 2529.83,1720.07 h50 r180
  text "A" at 2623.24,1720.07 h50 r180
  text "GND" at 2700.32,1719.51 h50 r180
  text "M+" at 2816.78,1720.07 h50 r180
  text "VIN :   5-24V/4A" at 762.15,1432.6 h60
  text "VOUT :   5V/4A" at 826.08,1297.6 h60
  text "3V3/0.5A" at 597.2,1192.6 h60
  text "SMK-robot-V1.0 驱动板" at 2351.13,1039.45 h60
  text "胡久松" at 2192.2,966.13 h60
  text "2021年8月15日" at 2262.2,892.37 h60
  text "GND" at 422.13,217.46 h50
  text "5V" at 705.55,217.46 h50
  text "M+" at 305.68,216.9 h50
  text "A" at 499.21,216.9 h50
  text "B" at 592.63,216.9 h50
  text "M-" at 805.68,216.9 h50
  text "M+" at 1037.6,213.79 h50
  text "GND" at 1154.06,214.34 h50
  text "A" at 1231.13,213.79 h50
  text "B" at 1324.55,213.79 h50
  text "5V" at 1437.48,214.34 h50
  text "M-" at 1537.6,213.79 h50
Mechanical 1:
  lines w15: -137.8,-23.07 -137.8,1951.93 ; -137.8,-19.69 ccw(c-19.69,-19.69) -19.69,-137.8 ; -137.8,1948.82 cw(c-19.69,1948.82) -19.69,2066.93 ; -22.8,-137.8 3092.2,-137.8 ; -17.8,2066.93 3087.2,2066.93 ; 3090.55,-137.8 ccw(c3090.55,-19.69) 3208.66,-19.69 ; 3090.55,2066.93 cw(c3090.55,1948.82) 3208.66,1948.82 ; 3208.66,-18.07 3208.66,1951.93